# Altium PCB PCBV1.0.PcbDoc (part 1 of 2)
Units mil, origin at the board's own origin, x right, y up, seen from the top; angles counter-clockwise.
Board outline 4200 x 4650 mil, 2 copper layers (Top Layer, Bottom Layer); 172 components, 116 nets, 598 pads, 252 vias.
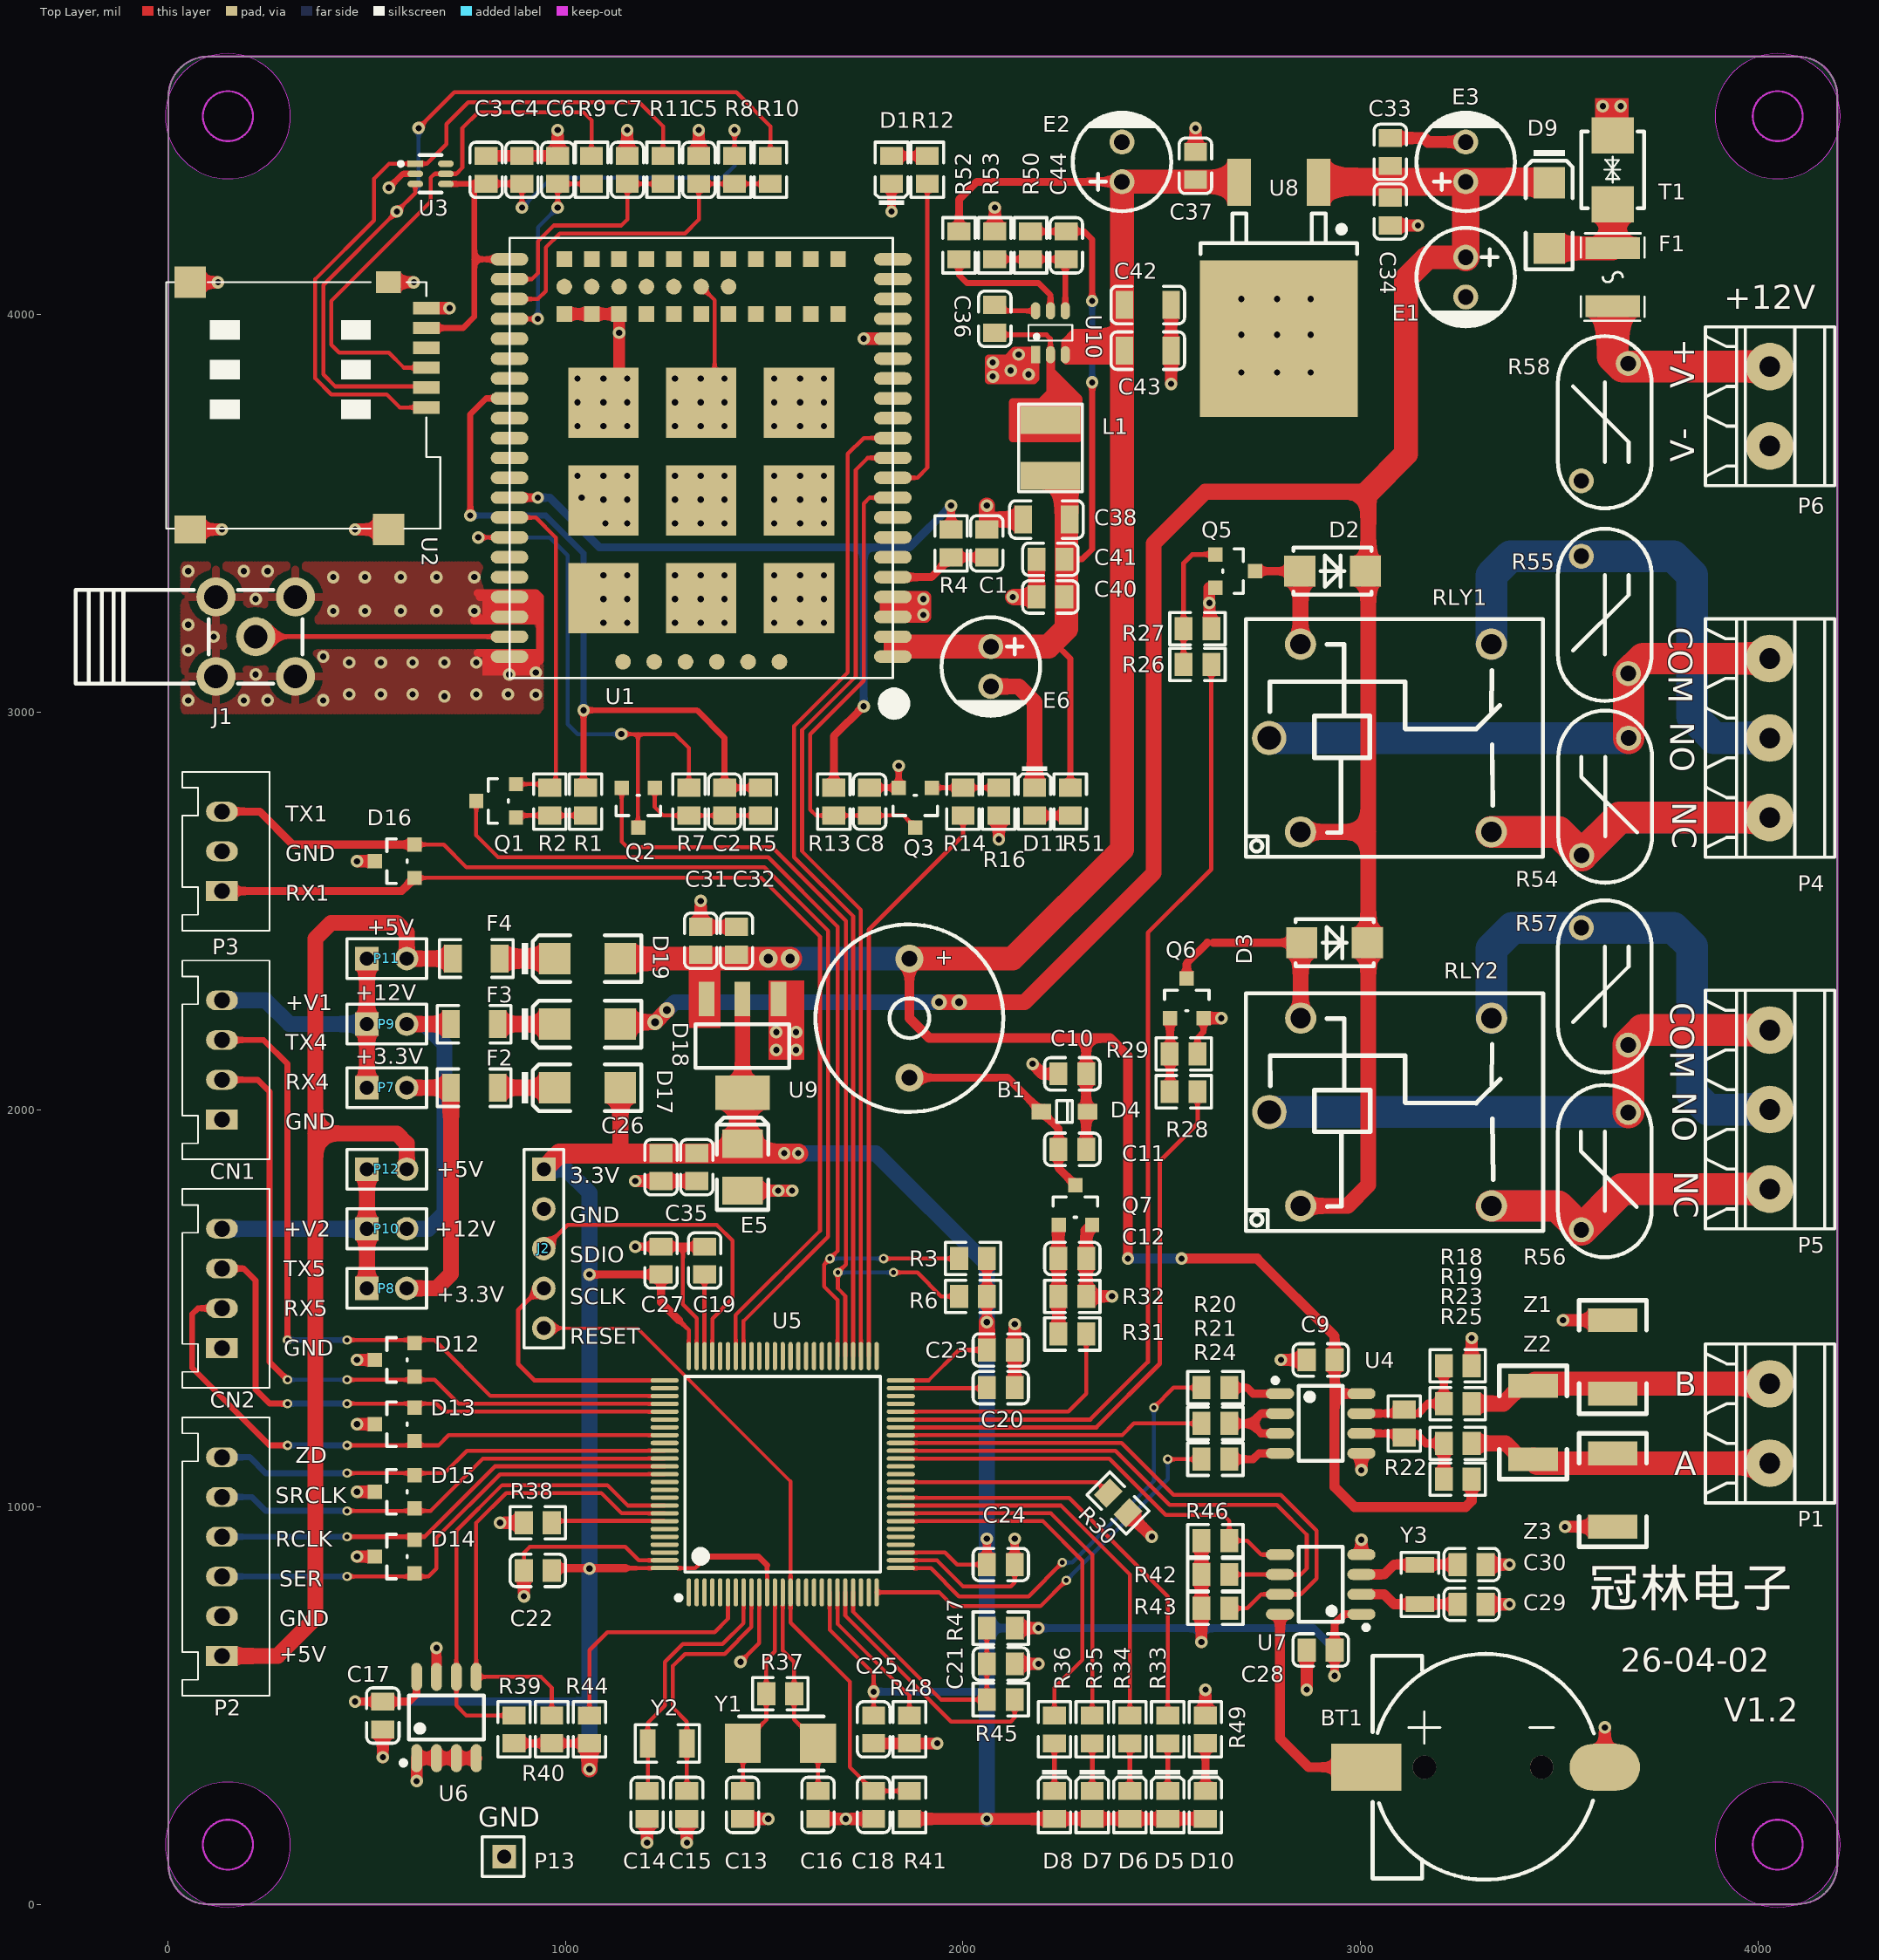
[diagram p0: Top Layer view]
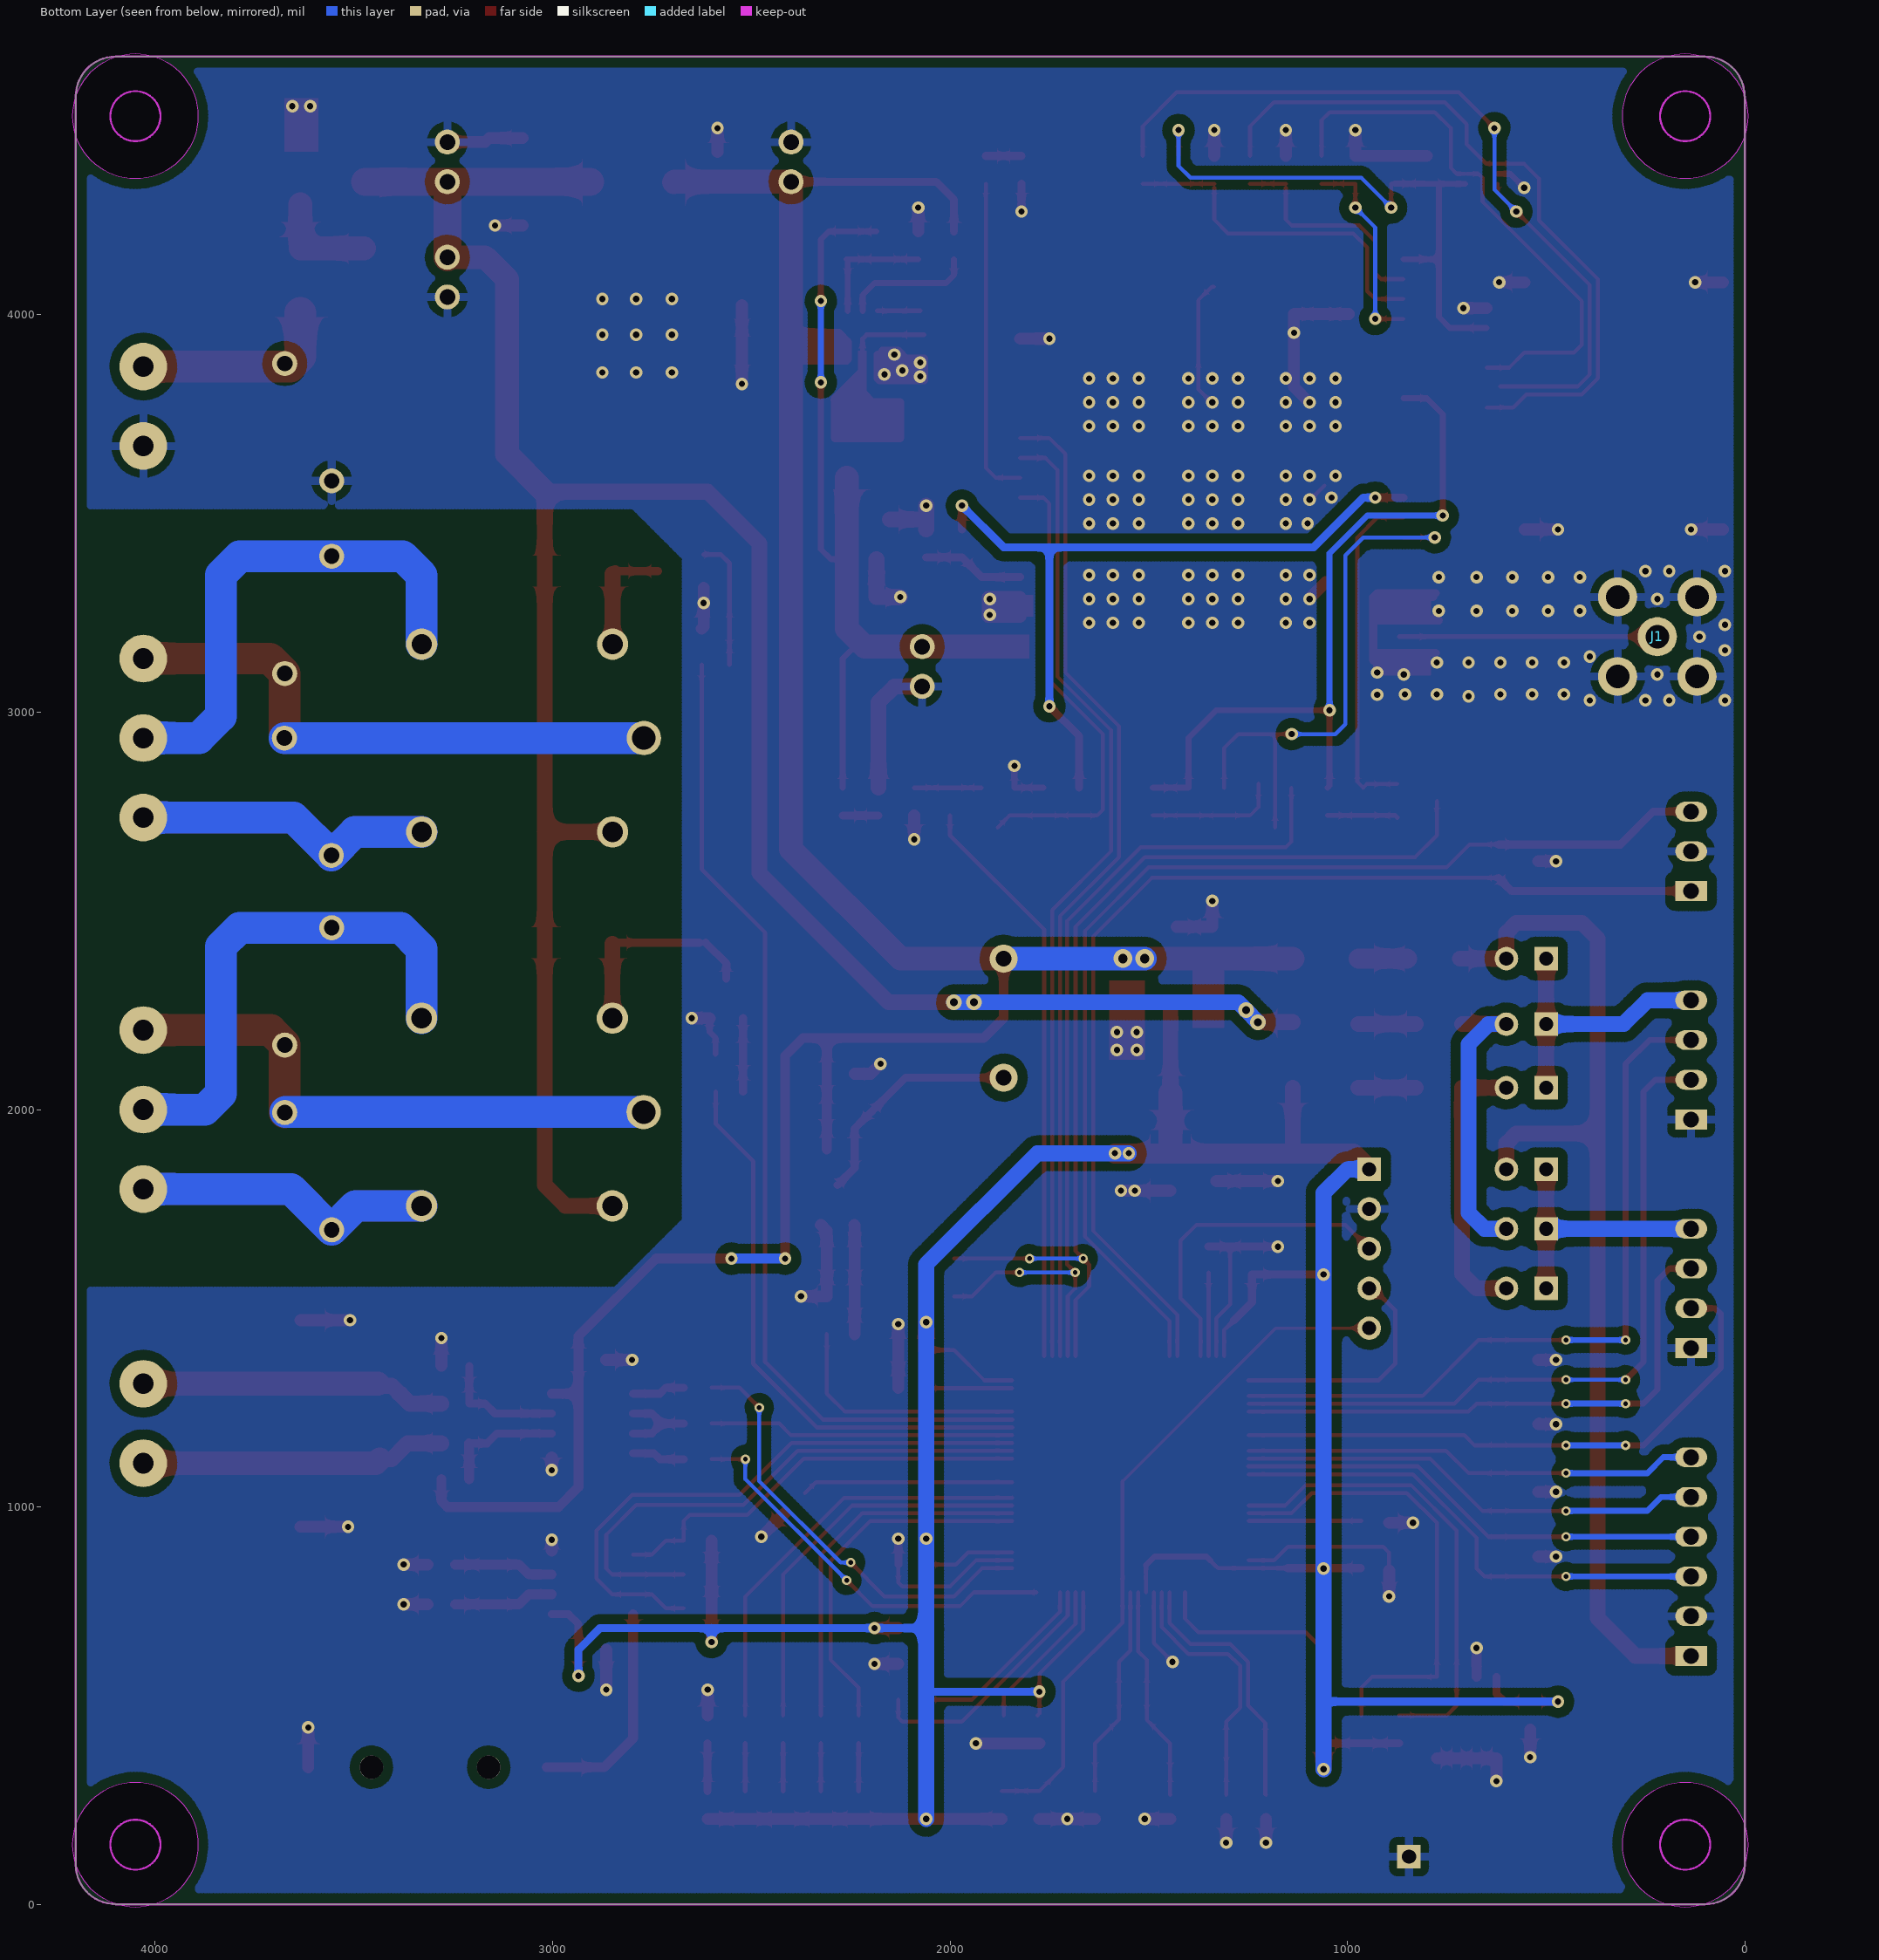
[diagram p1: Bottom Layer view, seen from below]
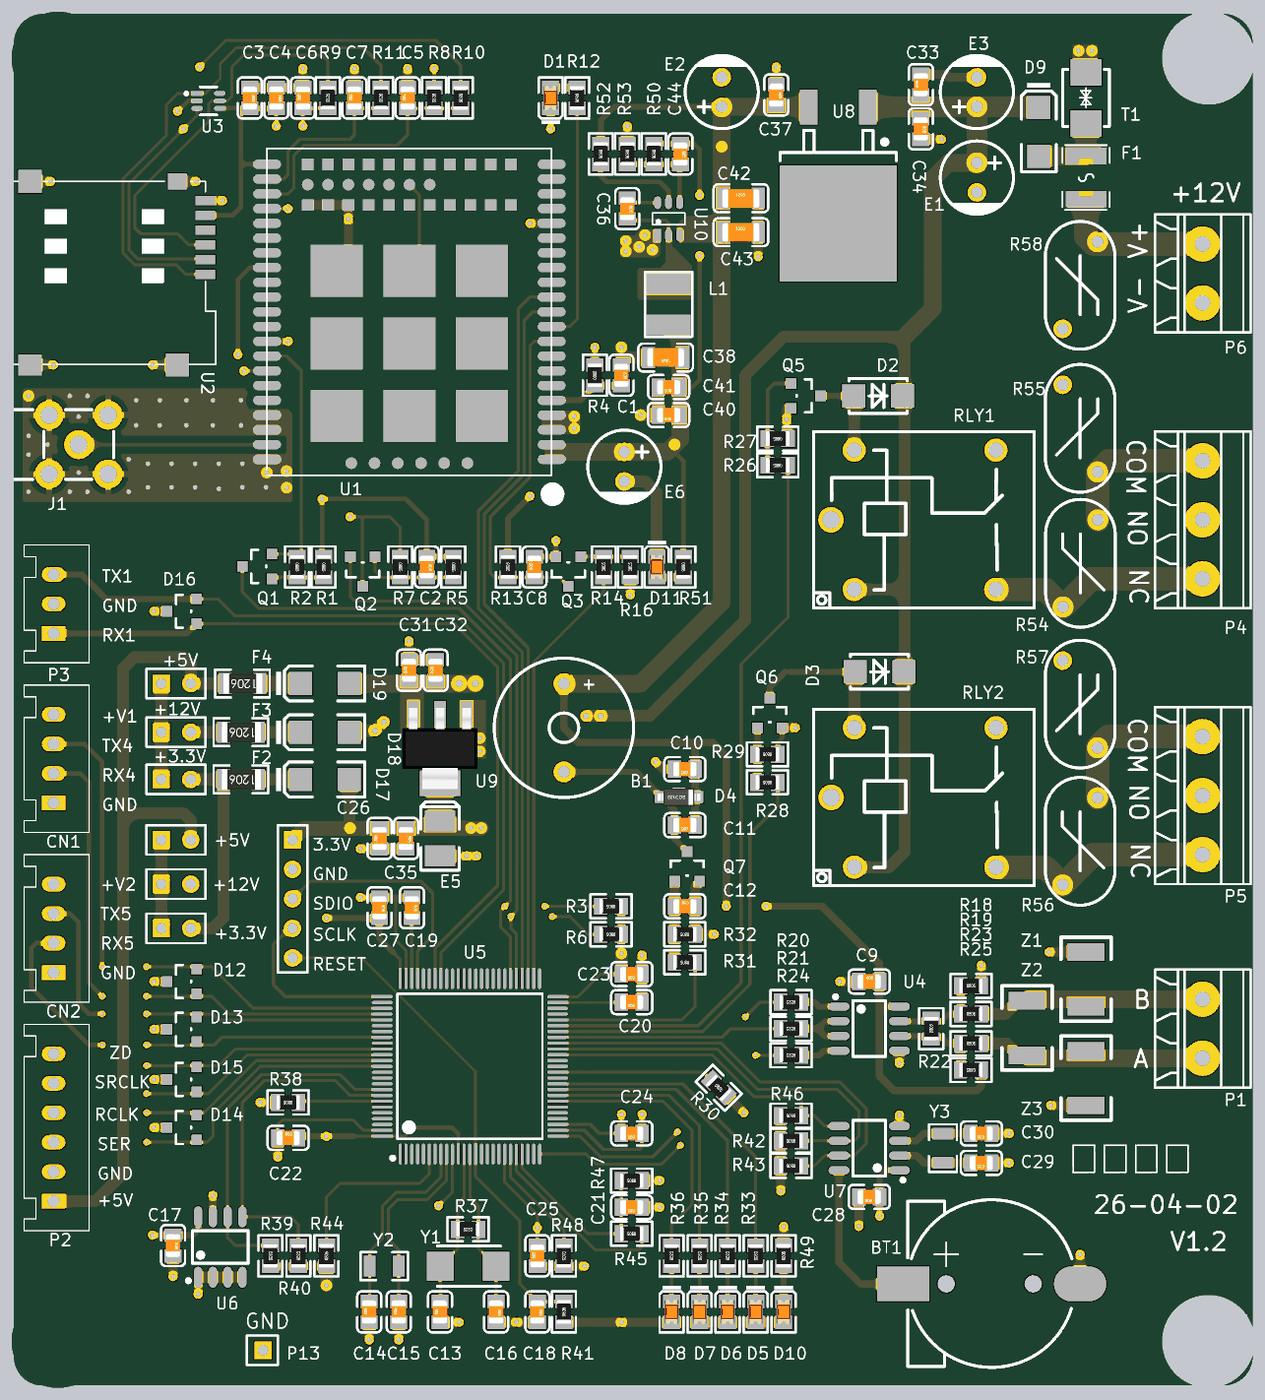
[diagram p3: 3D render of the assembled board from above, using the file's embedded part models]

## Layer stack, top to bottom
Top Solder: solder mask 0.4, Solder Resist, Dk 3.5
Top Layer: signal copper 1.4
Dielectric 1: dielectric 12.6, FR-4, Dk 4.8
Bottom Layer: signal copper 1.4
Bottom Solder: solder mask 0.4, Solder Resist, Dk 3.5

## Board outline
100,0 cw(c100,100) 0,100 0,4550 0.56,4550.73 cw(c99.91,4550.64) 100,4650 4100,4650 cw(c4100,4550) 4200,4550 4200,100 cw(c4100.64,99.91) 4100.73,0.56 4100,0
cut-out: -7.48,4500 ccw(c150,4500) 150,4342.52 ccw(c150,4500) 307.48,4500 ccw(c150,4500) 150,4657.48 ccw(c150,4500)
cut-out: 3892.52,4500 ccw(c4050,4500) 4050,4342.52 ccw(c4050,4500) 4207.48,4500 ccw(c4050,4500) 4050,4657.48 ccw(c4050,4500)
cut-out: -7.48,150 ccw(c150,150) 150,-7.48 ccw(c150,150) 307.48,150 ccw(c150,150) 150,307.48 ccw(c150,150)
cut-out: 3892.52,150 ccw(c4050,150) 4050,-7.48 ccw(c4050,150) 4207.48,150 ccw(c4050,150) 4050,307.48 ccw(c4050,150)

## Design rules (kind name [scope] priority, off if disabled: settings)
Clearance POLY [All vs InPoly] p1: gap=25 ignorepadtopadclearanceinfootprint=FALSE
Clearance [All] p2: gap=8 ignorepadtopadclearanceinfootprint=FALSE except(0: Arc-Hole Track-Hole SMDPad-Hole THPad-Hole Via-Hole Fill-Hole Poly-Hole Region-Hole Text-Hole)
PolygonConnect via [All vs IsVia] p1: connectstyle=Direct reliefconductorwidth=10 reliefentries=4 polygonreliefangle="90 Angle" airgapwidth=10
PolygonConnect [All] p2: connectstyle=Relief reliefconductorwidth=20 reliefentries=4 polygonreliefangle="90 Angle" airgapwidth=20
RoomDefinition power [InComponentClass('power')] p1: confinementstyle=ConfineIn formatcopy=TRUE lockcomponents=FALSE outline -1350,-1500 650,-1500 650,-500 -1350,-500
RoomDefinition mcu [InComponentClass('mcu')] p2: confinementstyle=ConfineIn formatcopy=TRUE lockcomponents=FALSE outline -1350,-1500 650,-1500 650,-500 -1350,-500
RoomDefinition interface [InComponentClass('interface')] p3: confinementstyle=ConfineIn formatcopy=TRUE lockcomponents=FALSE outline -1350,-1500 650,-1500 650,-500 -1350,-500
RoomDefinition 4G_CAT1_CN4N40 [InComponentClass('4G_CAT1_CN4N40')] p4: confinementstyle=ConfineIn formatcopy=TRUE lockcomponents=FALSE outline -1350,-1500 650,-1500 650,-500 -1350,-500
RoutingVias [All] p1: holewidth=28 width=50 viastyle="Through Hole" minholewidth=28 minwidth=50 maxholewidth=28 maxwidth=50
SolderMaskExpansion [All] p1: expansion=4
Width [All] p1: maxlimit=100 minlimit=8 preferedwidth=10 minimp=50.000000 maximp=50.000000 favimp=50.000000
30 further rules are at their usual default settings.

## Classes and differential pairs
component class mcu: B1 BT1 C10 C11 C12 C13 C14 C15 C16 C17 C18 C19 C20 C21 C22 C23 C24 C25 C26 C27 C28 C29 C30 D4 D5 D6 D7 D8 J2 Q7 R30 R31 R32 R33 R34 R35 R36 R37 R38 R39 R40 R41 R42 R43 R44 R45 R46 R47 R48 U5 U6 U7 Y1 Y2 Y3
component class 4G_CAT1_CN4N40: C1 C2 C3 C4 C5 C6 C7 C8 D1 J1 Q1 Q2 Q3 R1 R2 R3 R4 R5 R6 R7 R8 R9 R10 R11 R12 R13 R14 R16 U1 U2 U3
component class interface: C9 CN1 CN2 CN12 D2 D3 D12 D13 D14 D15 D16 D17 D18 D19 F2 F3 F4 P1 P2 P3 P4 P5 P7 P8 P9 P10 P11 P12 P13 Q5 Q6 R18 R19 R20 R21 R22 R23 R24 R25 R26 R27 R28 R29 R54 R55 R56 R57 RLY1 RLY2 U4 Z1 Z2 Z3
component class power: C31 C32 C33 C34 C35 C36 C37 C38 C40 C41 C42 C43 C44 D9 D10 D11 E1 E2 E3 E5 E6 F1 L1 P6 R49 R50 R51 R52 R53 R58 T1 U8 U9 U10

## Components (designator, comment, footprint, x,y, rotation, side; value= is the part's Value field where it differs from the comment)
B1 "2.4kHz" BUZ-TH_BD12.0-P7.60-D0.6-FD 1865,2230 r270 top
BT1 "CR1220" BAT-SMD_CR1220-2 3315,345 r0 top
C1 "100nF" LC-0805_C 2060,3425 r270 top
C2 "33pF" LC-0805_C 1400,2775 r270 top
C3 "33pF" LC-0805_C 800,4365 r270 top value=100nF
C4 "100nF" LC-0805_C 890,4365 r270 top
C5 "33pF" LC-0805_C 1335,4365 r90 top value=100nF
C6 "33pF" LC-0805_C 980,4365 r90 top value=100nF
C7 "33pF" LC-0805_C 1155,4365 r90 top value=100nF
C8 "100nF" LC-0805_C 1765,2775 r90 top
C9 "100nF" LC-0805_C 2900,1370 r0 top
C10 "100nF" LC-0805_C 2275,2090 r180 top
C11 "100nF" LC-0805_C 2275,1900 r180 top
C12 "100nF" LC-0805_C 2275,1625 r0 top
C13 "22pF" LC-0805_C 1445,250 r90 top value=100nF
C14 "12pF" LC-0805_C 1205,250 r90 top
C15 "12pF" LC-0805_C 1305,250 r90 top
C16 "22pF" LC-0805_C 1635,250 r270 top value=100nF
C17 "100nF" LC-0805_C 540,474.96 r270 top
C18 "100nF" LC-0805_C 1775,250 r270 top
C19 "2.2uF" LC-0805_C 1350,1620 r270 top value=100nF
C20 "2.2uF" LC-0805_C 2095,1300 r180 top value=100nF
C21 "100nF" LC-0805_C 2094.96,605 r180 top
C22 "100nF" LC-0805_C 930,840 r0 top
C23 "100nF" LC-0805_C 2095,1395 r180 top
C24 "100nF" LC-0805_C 2095,855 r180 top
C25 "100nF" LC-0805_C 1775,440.04 r90 top
C26 "100nF" LC-0805_C 1240,1855 r90 top
C27 "100nF" LC-0805_C 1240,1620 r270 top
C28 "100nF" LC-0805_C 2900,640 r180 top
C29 "12pF" LC-0805_C 3280,755 r180 top
C30 "12pF" LC-0805_C 3280,855 r180 top
C31 "10uF" LC-0805_C 1340,2425 r90 top value=104
C32 "100nF" LC-0805_C 1430,2425 r90 top
C33 "100nF" LC-0805_C 3075,4410.04 r90 top value=104
C34 "10uF" LC-0805_C 3075,4260 r270 top value=104
C35 "100nF" LC-0805_C 1330,1855 r270 top
C36 "100nF" LC-0805_C 2080,3989.96 r270 top
C37 "100nF" LC-0805_C 2585,4375 r270 top
C38 "22uF" LC-1206_C 2210,3485 r180 top
C40 "100nF" LC-0805_C 2219.96,3290 r180 top
C41 "33pF" LC-0805_C 2220,3385 r180 top value=100nF
C42 "10uF" LC-1206_C 2465,4025 r0 top
C43 "10uF" LC-1206_C 2465,3910 r0 top
C44 "NC" LC-0805_C 2260,4175 r270 top
CN1 "PJ-320D" 4PIN 135,1975 r90 top
CN2 "PJ-320D" 4PIN 135,1400 r90 top
D1 "NCD0805G1" LC-0805_LED_S1 1820,4365 r90 top
D2 "US1M" LC-SMA(DO-214AC)_S2 2930,3355 r180 top
D3 "US1M" LC-SMA(DO-214AC)_S2 2935,2420 r180 top
D4 "1N4148" LC-SOD-123 2255,1995 r180 top
D5 "NCD0805R1" LC-0805_LED_S1 2515,249.96 r270 top
D6 "NCD0805G1" LC-0805_LED_S1 2420,249.96 r270 top
D7 "NCD0805G1" LC-0805_LED_S1 2325,249.96 r270 top
D8 "NCD0805G1" LC-0805_LED_S1 2230,249.96 r270 top
D9 "SS14" LC-SMA(DO-214AC)_S5 3475,4250 r270 top
D10 "NCD0805R1" LC-0805_LED_S1 2610,250 r270 top